# Altium PCB PCB.PcbDoc (part 4 of 5)
Units mm, origin at the board's own origin, x right, y up, seen from the top; angles counter-clockwise.
Board outline 112 x 68.3 mm, 8 copper layers (Top Layer (Sig 1), Ground Plane 1, Signal Layer 2, Power Plane 1, Power Plane 2, Signal Layer 3, Ground Plane 2, Bottom Layer (Sig 4)), stack 1.68 mm thick; 392 components, 293 nets, 1571 pads, 926 vias.
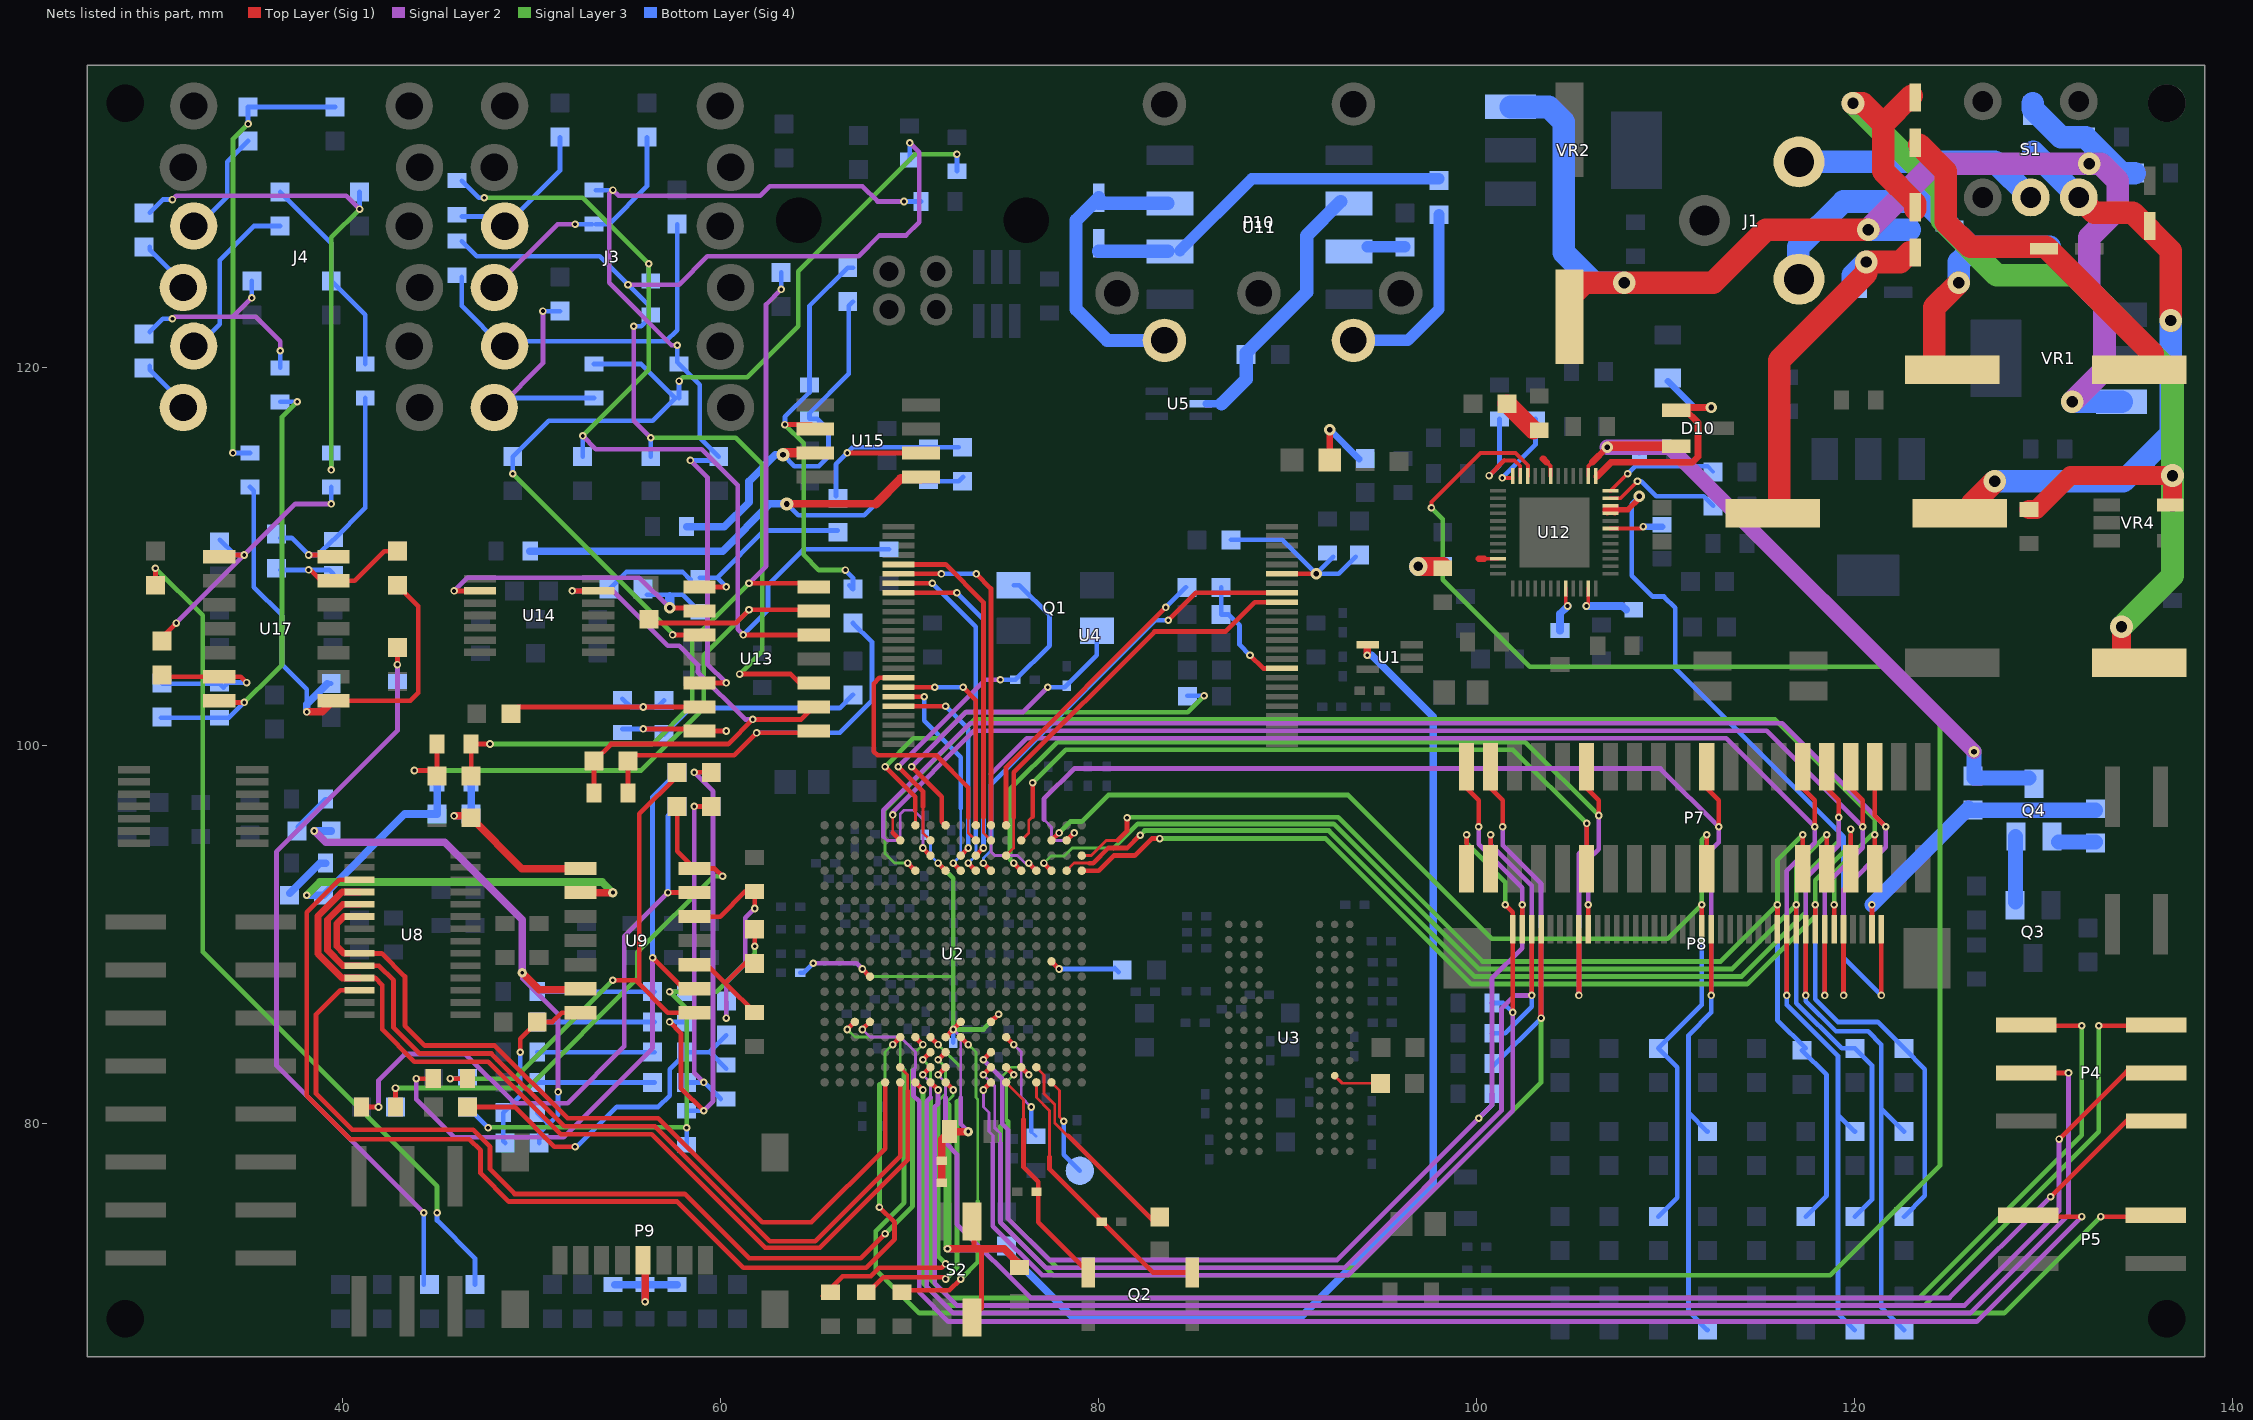
[diagram p10: the nets of this part, all layers, seen from the top]

## Via types
v1: diameter 0.4, hole 0.2, Top Layer (Sig 1) to Bottom Layer (Sig 4), tented top, 394 vias
v2: diameter 0.4, hole 0.2, Top Layer (Sig 1) to Bottom Layer (Sig 4), 265 vias
v3: diameter 0.4, hole 0.2, Top Layer (Sig 1) to Bottom Layer (Sig 4), tented bottom, 83 vias
v4: diameter 0.5, hole 0.2, Top Layer (Sig 1) to Bottom Layer (Sig 4), 44 vias
v5: diameter 1.2, hole 0.6, Top Layer (Sig 1) to Bottom Layer (Sig 4), 27 vias
v6: diameter 0.6, hole 0.3, Top Layer (Sig 1) to Bottom Layer (Sig 4), tented bottom, 15 vias
v7: diameter 0.7, hole 0.3, Top Layer (Sig 1) to Bottom Layer (Sig 4), 15 vias
v8: diameter 0.7, hole 0.3, Top Layer (Sig 1) to Bottom Layer (Sig 4), tented bottom, 13 vias
v9: diameter 0.6, hole 0.3, Top Layer (Sig 1) to Bottom Layer (Sig 4), 10 vias
v10: diameter 0.5, hole 0.2, Top Layer (Sig 1) to Bottom Layer (Sig 4), tented top, 10 vias
v11: diameter 0.5, hole 0.2, Top Layer (Sig 1) to Bottom Layer (Sig 4), tented bottom, 9 vias
v12: diameter 0.6, hole 0.3, Top Layer (Sig 1) to Bottom Layer (Sig 4), tented top, 9 vias
v13: diameter 0.8, hole 0.4, Top Layer (Sig 1) to Bottom Layer (Sig 4), 8 vias
v14: diameter 1, hole 0.5, Top Layer (Sig 1) to Bottom Layer (Sig 4), tented top, 7 vias
v15: diameter 1, hole 0.5, Top Layer (Sig 1) to Bottom Layer (Sig 4), tented bottom, 5 vias
v16: diameter 1.2, hole 0.6, Top Layer (Sig 1) to Bottom Layer (Sig 4), tented bottom, 4 vias
v17: diameter 0.8, hole 0.4, Top Layer (Sig 1) to Bottom Layer (Sig 4), tented bottom, 3 vias
v18: diameter 0.8, hole 0.4, Top Layer (Sig 1) to Bottom Layer (Sig 4), tented top, 2 vias
v19: diameter 0.4, hole 0.2, Top Layer (Sig 1) to Bottom Layer (Sig 4), tented both sides, 1 vias
v20: diameter 0.7, hole 0.3, Top Layer (Sig 1) to Bottom Layer (Sig 4), tented top, 1 vias
v21: diameter 1.2, hole 0.6, Top Layer (Sig 1) to Bottom Layer (Sig 4), tented top, 1 vias

## Nets (pads, with @x,y where several pads share a name; then routed paths per layer and width w, separated by ;. In a path a pad name is that pad's centre, name@x,y a point inside that pad or via, vN(x,y) a via of type N, cw(c..) or ccw(c..) an arc to the next point about the centre after c; other vN are vias at no path point) (continued)
LCD_G6: P7.19 P8.19 R29.1 R45.2 U2.U2 | length 77.8
  Top Layer (Sig 1) w0.25: U2.U2@78.3,95 v1(78.7,95.4) ; P7.19@112.16,98.9 112.16,97.755 112.795,97.12 v2(112.795,95.72) ; v2(112.4,86.8) P8.19@112.4,90.2
  Signal Layer 2 w0.15: 77.1,96.1 77.5,95.7 77.5,95.2 77.7,95 78.3,95 v1(78.7,95.4)
  Signal Layer 2 w0.25: 77.1,96.1 77.1,97.2 78.7,98.8 109.715,98.8 v2(112.795,95.72) 112.795,94.895 112.4,94.5 v2(112.4,86.8)
  Bottom Layer (Sig 4) w0.25: R45.2@112.2,69.1 111.2,70.1 111.2,80.6 ; R29.1@112.2,79.6 111.2,80.6 ; v2(112.4,86.8) 112.4,85.9 111.2,84.7 111.2,80.6
LCD_G7: P7.20 P8.20 R30.1 R46.2 U2.U3 | length 64.5
  Top Layer (Sig 1) w0.25: U2.U3@77.5,95 v1(77.9,95.4) ; P8.20@111.9,90.3 v2(111.9,91.6) ; P7.20@112.16,93.5 v2(112.16,95.3)
  Signal Layer 3 w0.25: v1(77.9,95.4) 78.5,96 79.1,96 80.5,97.4 93.197,97.4 100.797,89.8 110.1,89.8 v2(111.9,91.6) 111.9,95.04 v2(112.16,95.3)
  Bottom Layer (Sig 4) w0.25: R30.1@109.6,75.1 110.6,76.1 110.6,83 R46.2@109.6,84 111.9,86.3 v2(111.9,91.6)
LCD_HSYNC: P7.29 P8.32 U2.R5 | length 47.4
  Top Layer (Sig 1) w0.25: v1(75.5,93.8) U2.R5@75.9,93.4 ; P7.29@105.81,98.9 105.81,97.755 106.445,97.12 v2(106.445,96.32) ; P8.32@105.9,90.3 v2(105.9,91.6)
  Signal Layer 2 w0.25: v2(105.9,91.6) 105.9,94 106.445,94.545 v2(106.445,96.32)
  Signal Layer 3 w0.25: v1(75.5,93.8) 75.3,94 75.3,97.7 77.8,100.2 102.565,100.2 v2(106.445,96.32)
LCD_R0: P7.5 P8.5 U2.T11 | length 81.2
  Top Layer (Sig 1) w0.25: v1(70.7,94.6) U2.T11@71.1,94.2 ; v2(119.4,86.8) P8.5@119.4,90.3 ; P7.5@121.05,98.9 121.05,96.305 v2(121.635,95.72)
  Signal Layer 2 w0.15: 68.6,95.2 68.8,95 69.3,95 69.5,95.2 69.5,96.4 69.7,96.6 70.2,96.6 70.7,96.1 v1(70.7,94.6)
  Signal Layer 2 w0.25: 68.6,95.2 68.6,96.6 73.2,101.2 116.155,101.2 v2(121.635,95.72) 121.635,94.635 119.4,92.4 v2(119.4,86.8)
LCD_R1: P7.6 P8.6 U2.R12 | length 69.3
  Top Layer (Sig 1) w0.25: v1(69.9,93.8) U2.R12@70.3,93.4 ; P8.6@118.9,90.4 v2(118.9,91.6) ; P7.6@121.05,93.5 v2(121.05,95.3)
  Signal Layer 3 w0.15: 68.7,96.65 68.7,94.3 69.2,93.8 v1(69.9,93.8)
  Signal Layer 3 w0.25: 68.7,96.65 73.45,101.4 115.77,101.4 121.05,96.12 v2(121.05,95.3) 120.9,95.3 118.9,93.3 v2(118.9,91.6)
LCD_R2: P7.7 P8.7 U2.U13 | length 73.6
  Top Layer (Sig 1) w0.15: 69.1,95.4 v1@69.1,96.3
  Top Layer (Sig 1) w0.25: 69.1,95.4 U2.U13@69.5,95 ; v2(118.4,86.8) P8.7@118.4,90.3 ; P7.7@119.78,98.9 119.78,97.755 120.415,97.12 v2(120.415,95.72)
  Signal Layer 2 w0.25: v1@69.1,96.3 69.1,96.5 73.4,100.8 115.335,100.8 v2(120.415,95.72) 120.415,94.615 118.4,92.6 v2(118.4,86.8)
  other v1: 69.1,96.35
LCD_R3: P7.8 P8.8 R20.1 R36.2 U2.R1 | length 73.3
  Top Layer (Sig 1) w0.25: U2.R1@79.1,93.4 80,93.4 80.8,94.2 81.9,94.2 82.8,95.1 v2(83.225,95.1) ; P8.8@117.9,90.3 v2(117.9,91.6) ; P7.8@119.78,93.5 119.78,95.3
  Signal Layer 3 w0.25: v2(83.225,95.1) 92,95.1 99.7,87.4 114.3,87.4 117.9,91 v2(117.9,91.6) 117.9,92.9 119.78,94.78 v2(119.78,95.6)
  Bottom Layer (Sig 4) w0.25: v2(117.9,91.6) 117.9,86.6 119.1,85.4 121.2,85.4 R36.2@122.6,84 123.7,82.9 123.7,76.2 R20.1@122.6,75.1
LCD_R4: P7.9 P8.9 R21.1 R37.2 U2.R2 | length 89.5
  Top Layer (Sig 1) w0.15: U2.R2@78.3,93.4 78.7,93.8 79.5,93.8
  Top Layer (Sig 1) w0.25: 79.5,93.8 79.7,93.8 80.5,94.6 81.5,94.6 82.175,95.275 v2(82.2,95.275) ; v2(117.4,86.8) P8.9@117.4,90.3 ; P7.9@118.51,98.9 118.51,97.755 119.145,97.12 v2(119.145,96.22)
  Signal Layer 2 w0.25: v2(117.4,86.8) 117.4,93 119.145,94.745 v2(119.145,96.22)
  Signal Layer 3 w0.25: v2(82.2,95.275) 82.2,95.3 82.425,95.525 92.175,95.525 99.9,87.8 114,87.8 117.4,91.2 117.4,93.2 119.145,94.945 v2(119.145,96.22)
  Bottom Layer (Sig 4) w0.25: v2(117.4,86.8) 117.4,86.5 119,84.9 120.7,84.9 121.4,84.2 121.4,80.8 ; R21.1@122.597,69.1 121.4,70.297 121.4,80.8 ; R37.2@122.6,79.6 121.4,80.8
LCD_R5: P7.10 P8.10 R22.1 R38.2 U2.R3 | length 72.2
  Top Layer (Sig 1) w0.25: v1(77.1,93.8) U2.R3@77.5,93.4 ; P8.10@116.9,90.3 v2(116.9,91.6) ; P7.10@118.51,93.5 v2(118.51,95.3)
  Signal Layer 3 w0.15: v1(77.1,93.8) 77.476,94.175 78.175,94.175 78.6,94.6 80.8,94.6
  Signal Layer 3 w0.25: 80.8,94.6 82.075,95.875 92.425,95.875 100.1,88.2 113.5,88.2 v2(116.9,91.6) 116.9,93.69 v2(118.51,95.3)
  Bottom Layer (Sig 4) w0.25: v2(116.9,91.6) 116.9,86.4 119.3,84 R22.1@120,84 120.9,83.1 120.9,76 R38.2@120,75.1
LCD_R6: P7.11 P8.11 R23.1 R39.2 U2.R4 | length 90.2
  Top Layer (Sig 1) w0.25: v1(76.3,93.8) U2.R4@76.7,93.4 ; v2(116.4,86.8) P8.11@116.4,90.3 ; P7.11@117.24,98.9 117.24,97.755 117.875,97.12 v2(117.875,95.72)
  Signal Layer 2 w0.15: 74.3,98.5 74.3,94.4 74.5,94.2 75.7,94.2 76.1,93.8 v1(76.3,93.8)
  Signal Layer 2 w0.25: 74.3,98.5 76.2,100.4 113.195,100.4 v2(117.875,95.72) 117.875,94.875 116.4,93.4 v2(116.4,86.8)
  Bottom Layer (Sig 4) w0.25: v2(116.4,86.8) 116.4,86.3 119.1,83.6 119.1,80.5 ; R23.1@119.997,69.1 119.1,69.997 119.1,80.5 ; R39.2@120,79.6 119.1,80.5
LCD_R7: P7.12 P8.12 R24.1 R40.2 U2.T1 | length 67.7
  Top Layer (Sig 1) w0.15: U2.T1@79.1,94.2 79.6,94.2 80.4,95 81,95
  Top Layer (Sig 1) w0.25: 81,95 81.5,95.5 v2(81.5,96.2) ; P8.12@115.9,90.4 v2(115.9,91.6) ; P7.12@117.24,93.5 v2(117.24,95.3)
  Signal Layer 3 w0.25: v2(81.5,96.2) 81.525,96.225 92.675,96.225 100.3,88.6 112.9,88.6 v2(115.9,91.6) 115.9,93.96 v2(117.24,95.3)
  Bottom Layer (Sig 4) w0.25: v2(115.9,91.6) 115.9,85.5 R40.2@117.4,84 ; R40.2@117.2,83.9 118.5,82.6 118.5,76.2 R24.1@117.4,75.1
LCD_VSYNC: P7.30 P8.33 U2.U5 | length 50.1
  Top Layer (Sig 1) w0.15: U2.U5@75.9,95 76.3,95.4 76.3,96.05 76.504,96.254
  Top Layer (Sig 1) w0.25: 76.504,96.254 v2@76.504,98.05 ; v2(105.4,86.8) P8.33@105.4,90.3 ; P7.30@105.81,93.5 v2(105.81,95.9)
  Signal Layer 2 w0.25: v2(105.4,86.8) 105.4,94.3 105.81,94.71 v2(105.81,95.9)
  Signal Layer 3 w0.25: v2(76.5,98.05) 78.25,99.8 101.91,99.8 v2(105.81,95.9)
LCD_X1: C43.2 P7.37 P8.37 U2.B6 | length 67.7
  Top Layer (Sig 1) w0.25: U2.B6@75.1,83 v1(75.5,82.6) ; P7.37@100.73,98.9 100.73,97.755 101.365,97.12 v2(101.365,95.72) ; v2(103.4,85.6) P8.37@103.4,90.3
  Signal Layer 2 w0.25: v2(101.365,95.72) 101.365,94.735 103.4,92.7 v2(103.4,85.6)
  Signal Layer 3 w0.15: 75.125,80.138 75.125,82.225 v1(75.5,82.6)
  Signal Layer 3 w0.25: 75.2,80.138 75.2,75 77.8,72.4 93.6,72.4 103.4,82.2 v2(103.4,85.6)
  Bottom Layer (Sig 4) w0.254: C43.2@100.9,83.1 v2(103.4,85.6)
LCD_X2: C44.2 P7.39 P8.39 U2.C7 | length 62.1
  Top Layer (Sig 1) w0.25: v1(73.9,83.4) U2.C7@74.3,83.8 ; P7.39@99.46,98.9 99.46,97.755 100.095,97.12 v2(100.095,95.72) ; P8.39@102.4,90.3 v2(102.4,91.6)
  Signal Layer 2 w0.25: v1(73.9,83.4) 74.9,82.4 74.9,80 75.2,79.7 75.2,75 77.4,72.8 92.6,72.8 v3(100.1,80.3) 100.8,81 100.8,87.7 102.4,89.3 v2(102.4,91.6) 102.4,92.5 100.095,94.805 v2(100.095,95.72)
  Bottom Layer (Sig 4) w0.25: v3(100.1,80.3) 100.8,81 C44.2@100.8,81.6
LCD_Y1: C45.2 P7.38 P8.38 U2.B7 | length 64.8
  Top Layer (Sig 1) w0.25: v1(73.9,82.6) U2.B7@74.3,83 ; P7.38@100.73,93.5 v2(100.73,95.3) ; v2(102.9,86.8) P8.38@102.9,90.3
  Signal Layer 2 w0.15: v1(73.9,82.6) 74.5,82 74.5,79.8 74.8,79.5 74.8,79
  Signal Layer 2 w0.25: 74.8,79 74.8,74.8 77.2,72.4 93,72.4 101.3,80.7 101.3,86.1 102,86.8 v2(102.9,86.8) 102.9,88.4 ; v2(100.73,95.3) 100.73,94.77 102.9,92.6 102.9,88.5
  Bottom Layer (Sig 4) w0.25: C45.2@100.8,84.8 101.5,84.8 102.9,86.2 v2(102.9,86.8)
LCD_Y2: C46.2 P7.40 P8.40 U2.A7 | length 58.9
  Top Layer (Sig 1) w0.25: v1(73.9,81.8) U2.A7@74.3,82.2 ; P7.40@99.46,93.5 v2(99.46,95.3) ; v2(101.5,91.6) 101.9,91.2 P8.40@101.9,90.3 v2(101.9,85.9)
  Signal Layer 2 w0.15: v1(73.9,81.8) 73.9,80.9 74.2,80.6 74.2,79.6 74.4,79.4 74.4,79
  Signal Layer 2 w0.25: 74.4,79 74.4,74.6 77,72 93.2,72 101.9,80.7 v2(101.9,85.9)
  Signal Layer 3 w0.25: v2(99.46,95.3) 99.46,94.84 101.5,92.8 v2(101.5,91.6)
  Bottom Layer (Sig 4) w0.25: C46.2@100.8,86.4 101.4,86.4 v2(101.9,85.9)
LDO_PGOOD: U2.B5 U12.46 | length 127.6
  Top Layer (Sig 1) w0.2: v1(97.6,112.6) 97.6,112.9 100.2,115.5 102.048,115.5 102.7,114.848 U12.46@102.7,114.275
  Top Layer (Sig 1) w0.25: U2.B5@75.9,83 v1(76.3,82.6)
  Signal Layer 3 w0.15: 74.85,79.875 74.85,82.484 75.366,83 75.9,83 v1(76.3,82.6)
  Signal Layer 3 w0.25: 74.8,79.875 74.8,74.8 77.6,72 118.7,72 124.5,77.8 124.5,101.2 121.509,104.191 102.809,104.191 98.2,108.8 98.2,112 v1(97.6,112.6)
McASP0_BCLK: U2.A13 U8.5 U8.10 | length 47.5
  Top Layer (Sig 1) w0.25: U8.10@40.9,88.375 41.925,88.375 42.7,87.6 42.7,85.1 44.076,83.724 47.876,83.724 51.724,79.876 56.524,79.876 62.6,73.8 65,73.8 69.5,78.3 U2.A13@69.5,82.2
  Top Layer (Sig 1) w0.35: U8.10@40.9,88.375 40.025,88.375 39.2,89.2 39.2,90.8 40.025,91.625 U8.5@40.9,91.625
McASP0_LRCLK: U2.B13 U8.4 U8.11 | length 50.7
  Top Layer (Sig 1) w0.15: U2.B13@69.5,83 69.9,82.6 69.9,81.75
  Top Layer (Sig 1) w0.25: U8.11@40.9,87.725 41.725,87.725 42.1,87.35 42.1,85 43.8,83.3 47.7,83.3 51.549,79.451 56.349,79.451 62.35,73.45 65.25,73.45 69.9,78.1 69.9,81.75
  Top Layer (Sig 1) w0.35: U8.11@40.9,87.725 39.975,87.725 38.7,89 38.7,91 39.975,92.275 U8.4@40.9,92.275
McASP0_MISO: U2.D13 U8.3 | length 60.9
  Top Layer (Sig 1) w0.25: U8.3@40.9,92.925 39.825,92.925 38.1,91.2 38.1,81.5 40.4,79.2 46.7,79.2 47.3,78.6 47.3,77.4 48.8,75.9 57.7,75.9 61.2,72.4 67.7,72.4 69.2,73.9 69.2,74.8 v1(68.4,75.6) ; v1(69.1,84.2) U2.D13@69.5,84.6
  Signal Layer 3 w0.15: 68.4,82.1 68.7,82.4 68.7,83.8 v1(69.1,84.2)
  Signal Layer 3 w0.25: v1(68.4,75.6) 68.4,82.1
McASP0_MOSI: U2.D12 U8.12 | length 53.4
  Top Layer (Sig 1) w0.25: U8.12@40.9,87.075 39.875,87.075 38.6,85.8 38.6,81.6 40.5,79.7 46.9,79.7 47.8,78.8 47.8,77.6 49.1,76.3 58.1,76.3 61.5,72.9 67.4,72.9 v1(68.7,74.2) ; U2.D12@70.3,84.6 v1(70.7,84.2)
  Signal Layer 3 w0.15: 70.15,82.875 70.3,83.025 70.3,83.8 v1(70.7,84.2)
  Signal Layer 3 w0.25: v1(68.7,74.2) 70.15,75.65 70.15,82.875
McASP0_SCLK: U2.A14 U8.6 U8.9 | length 44.2
  Top Layer (Sig 1) w0.25: U8.9@40.9,89.025 42.075,89.025 43.3,87.8 43.3,85.197 44.349,84.149 48.051,84.149 51.9,80.3 56.7,80.3 62.2,74.8 64.8,74.8 68.7,78.7 U2.A14@68.7,82.2
  Top Layer (Sig 1) w0.35: U8.9@40.9,89.025 40.075,89.025 39.7,89.4 39.7,90.6 40.075,90.975 U8.6@40.9,90.975
MIDI: R79.1 U5.2 U11.6 | length 14
  Bottom Layer (Sig 4) w0.4: U5.2@85.7,118.1 86.5,118.1
  Bottom Layer (Sig 4) w0.7: 86.5,118.1 87.8,119.4 R79.1@87.8,120.7 ; R79.1@87.8,120.8 91,124 91,127 U11.6@92.8,128.8
NALE: U2.R7 U4.17 | length 24.5
  Top Layer (Sig 1) w0.25: v1(73.9,93.8) U2.R7@74.3,93.4 ; v3(83.675,106.65) 85.125,108.1 U4.17@89.7,108.1
  Bottom Layer (Sig 4) w0.15: v1(73.9,93.8) 73.9,94.07 74.3,94.47 74.3,95
  Bottom Layer (Sig 4) w0.25: 74.3,95 74.3,97.95 83,106.65 v3(83.675,106.65)
NCE0: R138.1 U2.V6 | length 16.5
  Top Layer (Sig 1) w0.25: U2.V6@75.1,95.8 75.1,98.875 v3(83.55,107.325)
  Bottom Layer (Sig 4) w0.25: v3(83.55,107.325) R138.1@84.613,108.387
NCLE: U2.T6 U4.16 | length 23.4
  Top Layer (Sig 1) w0.15: U2.T6@75.1,94.2 75.5,94.6 75.5,96.2
  Top Layer (Sig 1) w0.25: 75.5,96.2 75.5,98.6 82.95,106.05 86.7,106.05 88.25,107.6 U4.16@89.6,107.6 ; 88.65,107.6 U4.16@89.65,107.6
NDQ0: U2.U7 U4.29 | length 18.1
  Top Layer (Sig 1) w0.15: 73.9,96.2 73.9,95.4 U2.U7@74.3,95
  Top Layer (Sig 1) w0.25: U4.29@69.4,109.6 71.9,109.6 73.9,107.6 73.9,96.2
NDQ1: U2.V7 U4.30 | length 17.7
  Top Layer (Sig 1) w0.25: U4.30@69.4,109.1 v2(71.675,109.1) ; v2(73.525,109.1) 74.3,108.325 U2.V7@74.3,95.8
  Bottom Layer (Sig 4) w0.25: v2(71.675,109.1) v2(73.525,109.1)
NDQ2: U2.R8 U4.31 | length 17.8
  Top Layer (Sig 1) w0.25: U4.31@69.9,108.6 v3(71.2,108.6) ; v1(73.1,93.8) U2.R8@73.5,93.4
  Bottom Layer (Sig 4) w0.15: v1(73.1,93.8) 73.5,94.2 73.5,95
  Bottom Layer (Sig 4) w0.25: v3(71.2,108.6) 73.5,106.3 73.5,95
NDQ3: U2.T8 U4.32 | length 17.2
  Top Layer (Sig 1) w0.25: U4.32@69.9,108.1 v3(72.5,108.1) ; U2.T8@73.5,94.2 v1(73.9,94.6)
  Bottom Layer (Sig 4) w0.25: v3(72.5,108.1) 73.9,106.7 v1(73.9,94.6)
NDQ4: U2.U8 U4.41 | length 13.8
  Top Layer (Sig 1) w0.15: 73.1,96.2 73.1,95.4 U2.U8@73.5,95
  Top Layer (Sig 1) w0.25: U4.41@69.4,103.6 68.4,103.6 68.1,103.3 68.1,99.7 68.3,99.5 71.4,99.5 73.1,97.8 73.1,96.2
NDQ5: U2.V8 U4.42 | length 11
  Top Layer (Sig 1) w0.25: U4.42@69.4,103.1 v2(71.325,103.1) ; v2(72.825,103.1) 73.5,102.425 73.5,96.3 U2.V8@73.5,95.8
  Bottom Layer (Sig 4) w0.25: v2(71.325,103.1) v2(72.825,103.1)
NDQ6: U2.R9 U4.43 | length 11.7
  Top Layer (Sig 1) w0.25: U4.43@69.4,102.6 v2(70.775,102.6) ; v1(72.3,93.8) U2.R9@72.7,93.4
  Bottom Layer (Sig 4) w0.15: v1(72.3,93.8) 72.7,94.2 72.7,96.7
  Bottom Layer (Sig 4) w0.25: v2(70.775,102.6) 70.775,101.325 72.7,99.4 72.7,96.7
NDQ7: U2.T9 U4.44 | length 11.1
  Top Layer (Sig 1) w0.25: U4.44@69.4,102.1 v2(71.9,102.1) ; U2.T9@72.7,94.2 v1(73.1,94.6)
  Bottom Layer (Sig 4) w0.25: v2(71.9,102.1) 73.1,100.9 v1(73.1,94.6)
NetC1_2: C1.2 C3.1 C4.2 D1.1 D2.1 VR1.3 VR2.3 | length 72.3
  Top Layer (Sig 1) w1.2: C3.1@105,123.5 105,123.8 105.7,124.5 v16(107.8,124.5) 112.5,124.5 115.3,127.3 v5(120.7,127.3)
  Signal Layer 2 w1.2: v5(120.7,127.3) 124.2,130.8 v5(132.4,130.8) 133,130.8 133.9,129.9 133.9,128.4 132.4,126.9 132.4,124.1 133.2,123.3 133.2,119.9 v5(131.5,118.2)
  Bottom Layer (Sig 4) w1.2: VR2.3@101.792,133.8 103.8,133.8 104.6,133 104.6,126.1 106.2,124.5 v16(107.8,124.5) ; v5(120.7,127.3) D2.1@122.9,127.3 ; D1.1@129.4,134 129.4,133.7 130.9,132.2 132.2,132.2 134.1,130.3 C4.2@134.8,130.3 ; v5(131.5,118.2) VR1.3@134.1,118.2 ; v5(132.4,130.8) 132.9,131.3
NetC8_1: C8.1 D1.2 D3.1 S1.3 | length 31.7
  Top Layer (Sig 1) w1.2: C8.1@126.153,112.3 126.153,112.753 v5(127.4,114) ; S1.3@131.843,129.011 132.654,128.2 134.7,128.2 136.7,126.2 v5(136.7,122.5)
  Bottom Layer (Sig 4) w1.2: v5(127.4,114) 134.2,114 136.7,116.5 v5(136.7,122.5) ; D1.2@129.427,131.427 S1.3@131.843,129.011
NetC8_2: C8.2 D5.1 D7.2 | length 19.4
  Top Layer (Sig 1) w1.2: C8.2@115.647,112.3 116,112.653 116,120.4 120.6,125 v5(120.6,125.6) 122.4,125.6 D5.1@122.9,126.1
  Bottom Layer (Sig 4) w1.2: 119.9,124.3 119.9,124.9 v5(120.6,125.6)
NetC9_1: C9.1 D2.2 D4.1 J1.1 | length 24
  Top Layer (Sig 1) w1.2: C9.1@124.2,120.1 124.2,123.2 v5(125.5,124.5)
  Bottom Layer (Sig 4) w1.2: J1.1@117,124.9 117,126.4 119.4,128.8 123.701,128.8 D2.2@125.001,127.5 126.101,126.4 ; v5(125.5,124.5) 125.5,125.601 126.2,126.301 126.101,126.4 ; D4.1@130.3,126.4 126.101,126.4
NetC9_2: C9.2 D6.1 D8.2 | length 19.4
  Top Layer (Sig 1) w1.2: D6.1@123.4,131.8 124.8,130.4 124.8,127.7 126.1,126.4 130.1,126.4 135.753,120.747 C9.2@135.753,119.9
NetC10_2: C10.2 C11.2 D5.2 D6.2 VR4.5 | length 58.7
  Top Layer (Sig 1) w1: C11.2@129.2,112.5 129.6,112.5 131.4,114.3 v5(136.8,114.3) VR4.5@136.8,112.9 ; C10.2@134.1,104.9 v5(134.1,106.3)
  Top Layer (Sig 1) w1.2: v5(119.9,134) 120.4,134 121.5,132.9 ; D6.2@123,134.4 121.5,132.9 ; D5.2@123.2,128.4 D5.2@123.2,128.501 123.2,128.701 121.5,130.401 121.5,132.9
  Signal Layer 3 w1.2: v5(119.9,134) 124.6,129.3 124.6,127.8 127.5,124.9 131.6,124.9 136.8,119.7 v5(136.8,114.3) 136.8,109 v5(134.1,106.3)
NetC13_2: C13.2 R3.1 S2.2 S2.4 U1.4 U2.A10 | length 78.5
  Top Layer (Sig 1) w0.25: U2.A10@71.9,82.2 v1(72.3,81.8) ; S2.2@73.3,69.76 73.8,70.26 73.8,73.4 ; 73.4,73.4 S2.4@73.4,74.84 ; C13.2@75.7,72.5 C13.2@75.7,72.7
  Top Layer (Sig 1) w0.4: v2(72,73.4) 73.4,73.4 73.8,73.4 75,73.4 C13.2@75.7,72.7 ; v1(94.2,104.8) U1.4@94.2,105.275
  Signal Layer 3 w0.15: 72,81.2 72.3,81.5 v1(72.3,81.8)
  Signal Layer 3 w0.4: v2(72,73.4) 72,81
  Bottom Layer (Sig 4) w0.4: v2(72,73.4) 75,73.4 78.6,69.8 90.7,69.8 97.7,76.8 97.7,101.55 94.45,104.8 v1(94.2,104.8)
NetC15_2: C15.2 Q1.3 U2.V10 | length 17.4
  Top Layer (Sig 1) w0.25: v2(70.1,98.9) 71.7,97.3 71.7,96 U2.V10@71.9,95.8
  Signal Layer 2 w0.25: v2(70.1,98.9) 73,101.8 76,101.8 v2(77.3,103.1)
  Bottom Layer (Sig 4) w0.25: v2(77.3,103.1) 78.2,103.1 79.9,104.8 Q1.3@79.9,106.1
NetC18_2: C18.2 Q1.1 U2.U11 | length 19.4
  Top Layer (Sig 1) w0.15: 70.7,96.8 70.7,95.4 U2.U11@71.1,95
  Top Layer (Sig 1) w0.25: v2(69.4,98.9) 70.7,97.6 70.7,96.8
  Signal Layer 2 w0.25: v2(69.4,98.9) 74.001,103.5 v3(74.8,103.5)
  Bottom Layer (Sig 4) w0.25: v3(74.8,103.5) C18.2@75.592,103.5 77.4,105.308 77.4,106.9 75.8,108.5 Q1.1@75.5,108.5
NetC19_2: C19.2 Q2.2 U2.A6 | length 11.9
  Top Layer (Sig 1) w0.15: U2.A6@75.1,82.2 76.025,81.275 76.025,80.25
  Top Layer (Sig 1) w0.25: 76.025,80.25 76.025,77.725 76.8,76.95 76.8,74.8 Q2.2@79.45,72.15
NetC22_2: C22.2 Q2.1 U2.A4 | length 14.7
  Top Layer (Sig 1) w0.15: U2.A4@76.7,82.2 76.7,81.4 77.4,80.7 77.4,78.25
  Top Layer (Sig 1) w0.25: 77.4,78.25 77.4,77.6 82.85,72.15 Q2.1@84.95,72.15
NetC39_2: C39.2 R10.2 R139.2 U4.19 | length 10.8
  Top Layer (Sig 1) w0.25: U4.19@89.7,109.1 v6(91.5,109.1)
  Bottom Layer (Sig 4) w0.25: R139.2@87,110.9 89.7,110.9 v6(91.5,109.1) ; v6@91.526,109.074 v6(91.5,109.1) ; C39.2@92.4,110 v6(91.5,109.1) ; R10.2@93.6,110 92.7,109.1 v6(91.5,109.1)
NetC84_2: C84.2 U2.D9 | length 16.9
  Top Layer (Sig 1) w0.25: C84.2@69.6,71.2 72.1,71.2 v2(72.7,71.8) ; U2.D9@72.7,84.6 v1(73.1,84.2)
  Signal Layer 3 w0.15: v1(73.1,84.2) 73.5,83.8 73.5,81.4 73.6,81.3 73.6,75.9
  Signal Layer 3 w0.25: v2(72.7,71.8) 73.6,72.7 73.6,75.9
NetC85_2: C85.2 U2.D11 | length 18.8
  Top Layer (Sig 1) w0.25: C85.2@67.395,70.9 67.6,70.9 68.6,71.9 71.825,71.9 v2@71.913,71.813 ; U2.D11@71.1,84.6 v1(71.5,84.2)
  Signal Layer 3 w0.15: v1(71.5,84.2) 72.7,83 72.7,81.4 72.5,81.2
  Signal Layer 3 w0.25: v2(71.9,71.8) 72.5,72.4 72.5,81.2